# Altium PCB R100.230.030.001-00 ControlVR.PcbDoc (part 4 of 5) (continued)
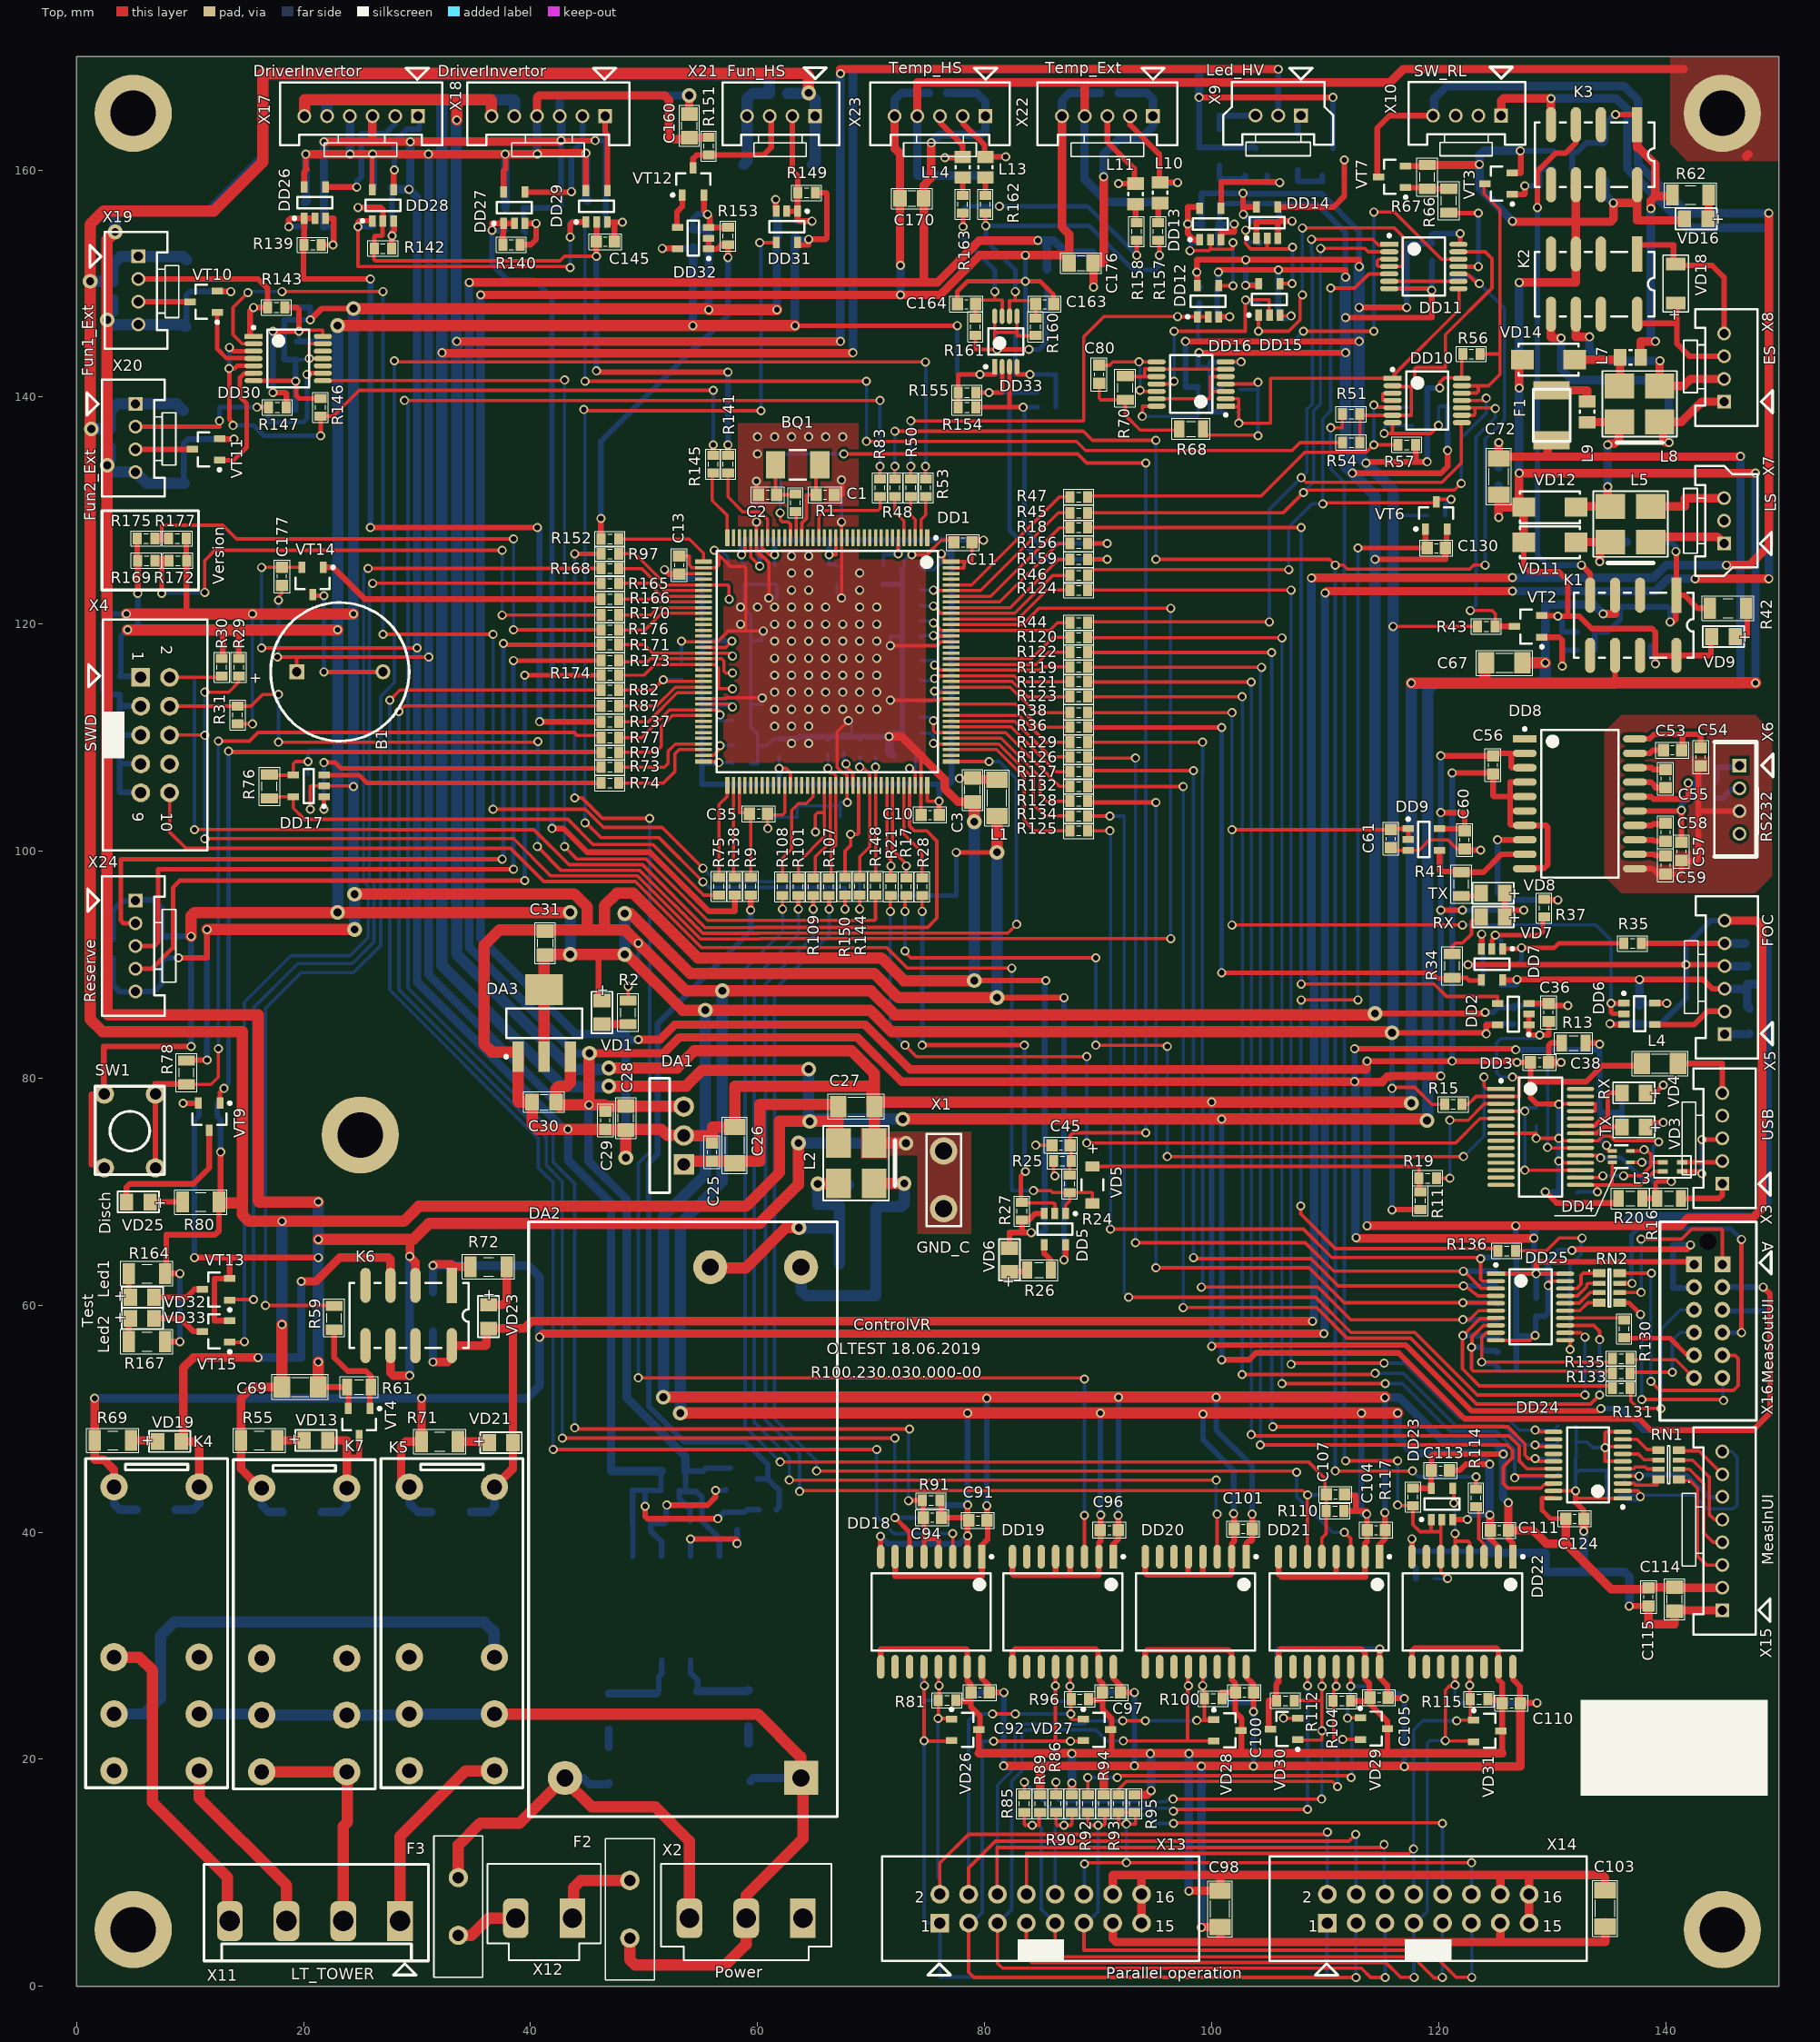
[diagram p0: Top view]
## Nets (pads, with @x,y where several pads share a name; then routed paths per layer and width w, separated by ;. In a path a pad name is that pad's centre, name@x,y a point inside that pad or via, vN(x,y) a via of type N, cw(c..) or ccw(c..) an arc to the next point about the centre after c; other vN are vias at no path point) (continued)
  Bottom w0.75: VD20.1@8.725,42 10.3,42 10.806,42.506 K4.8@10.806,44 ; v1(16,55.4) 19.8,55.4 v1(19.8,62.1)
NetK7_8: K7.8 VD13.2 VD15.1 VT4.3 | length 12.9
  Top w0.5: 23.814,46.7 23.914,46.6 24.9,46.6 VT4.3@24.9,48.5
  Top w0.75: VD13.2@22.141,48.1 23.814,48.1 23.814,46.7 K7.8@23.814,43.9
  Bottom w0.75: VD15.1@21.625,41.8 23.3,41.8 23.8,42.3 23.8,43.886 K7.8@23.814,43.9
NetL4_1: L4.1 X3.5 | length 6.7
  Top w0.5: L4.1@141,81.7 141.4,81.3 145,81.3 X3.5@145,78.8
NetL5_1: L5.1 L6.1 VD11.1 | length 8.9
  Top w0.75: VD11.1@132.1,127.2 132.1,127.225 L5.1@135.122,127.225 134.2,126.303 v1(134.2,125.5)
  Bottom w0.75: v1(134.2,125.5) 134.2,126.5 134.95,127.25 L6.1@136.59,127.25
NetL5_2: L5.2 X7.1 | length 7.2
  Top w0.75: L5.2@138.678,127.225 138.678,127.7 144.55,127.7 X7.1@145.15,127.1
NetL5_3: L5.3 X7.3 | length 7.2
  Top w0.75: L5.3@138.678,130.375 141.7,130.375 141.7,131.1 X7.3@145.15,131.1
NetL5_4: L5.4 L8.1 L9.1 VD12.1 | length 14.4
  Top w0.75: VD12.1@132.1,130.3 132.1,130.375 L5.4@134.9,130.375 ; L9.1@133.41,137.8 135.647,137.8 L8.1@135.9,137.547 ; v1(134.9,132.1) L5.4@134.9,130.375 ; v1(134.9,135.8) 135,135.9 135.5,135.9 135.9,136.3 L8.1@135.9,137.547 ; L5.4@135.122,130.375 L5.4@134.9,130.375 ; L8.1@135.922,137.825 135.672,137.825 135.9,137.598 L8.1@135.9,137.547 ; L8.1@136.022,137.425 L8.1@135.9,137.547
  Bottom w0.75: v1(134.9,132.1) v1(134.9,135.8)
NetL7_1: L7.1 L8.4 VD14.1 | length 6.6
  Top w0.75: VD14.1@132,143.3 135.79,143.3 L7.1@135.99,143.5 135.99,141.043 L8.4@135.922,140.975
NetL10_2: L10.2 R157.1 | length 1.8
  Top w0.5: R157.1@95.3,155.375 95.3,156.915 L10.2@95.475,157.09
NetL11_2: L11.2 R158.1 | length 1.7
  Top w0.5: L11.2@93.3,156.99 93.3,155.475 R158.1@93.4,155.375
NetL13_2: L13.2 R162.1 | length 1.6
  Top w0.5: R162.1@80.075,157.775 L13.2@80.075,159.34
NetL14_2: L14.2 R163.1 | length 1.6
  Top w0.5: R163.1@78.075,157.775 L14.2@78.075,159.34
NetR2_2: R2.2 VD1.2 | length 2.3
  Top w0.75: VD1.2@46.3,84.759 48.591,84.759 R2.2@48.6,84.75
NetR3_1: R3.1 R6.2 | length 1.5
  Bottom w0.75: R3.1@46.9,21.1 R6.2@46.9,22.6
NetR4_1: R4.1 R7.2 | length 1.5
  Bottom w0.75: R4.1@59.2,21.4 R7.2@59.2,22.9
NetR9_1: R9.1 R10.2 VT1.3 | length 66.7
  Top w0.5: v1(59.4,94.8) R9.1@59.4,96.125
  Bottom w0.5: v1(59.4,94.8) 59.4,93 51.2,84.8 51.2,73.3 50.425,72.525 50.425,51.075 53.5,48 58.9,48 60.9,46 60.9,44.7 ; VT1.3@60,44.7 60.9,44.7 ; R10.2@61.675,42 61.896,42.221 61.896,43.704 60.9,44.7
NetR22_2: R22.2 VD3.1 | length 3.6
  Top w0.4: VD3.1@138.2,75.8 138.3,75.7 138.7,76.1 v1(139.8,76.1)
  Bottom w0.4: R22.2@138.25,75.6 139.3,75.6 v1(139.8,76.1)
NetR23_2: R23.2 VD4.1 | length 3.7
  Top w0.4: VD4.1@138.241,78.7 139.1,78.7 v1(139.8,79.4)
  Bottom w0.4: R23.2@138.2,78.7 139.1,78.7 v1(139.8,79.4)
NetR26_2: R26.2 VD6.1 | length 1.6
  Top w0.5: VD6.1@82.2,62.959 83.609,62.959 R26.2@83.75,63.1
NetR33_1: R33.1 X5.1 | length 2.2
  Bottom w0.75: X5.1@145.2,83.875 147.325,83.875 R33.1@147.4,83.95
NetR34_2: R34.2 VD7.2 | length 4.8
  Top w0.3: R34.2@121.2,90.95 121.2,91.6 121.5,91.9 122.1,91.9 122.896,92.696 122.896,92.733 122.904,92.741 122.904,93.804 123,93.9 VD7.2@123.759,93.9
NetR41_1: R41.1 VD8.2 | length 1.9
  Top w0.4: R41.1@122,96.05 123.459,96.05 VD8.2@123.759,95.75
NetR42_2: R42.2 VD9.1 | length 3.5
  Top w0.5: VD9.1@146.141,118.9 147.1,118.9 147.2,119 147.2,121.3 R42.2@147.1,121.4
NetR53_1: R53.1 R59.1 | length 154
  Top w0.3: v1(16.65,59.975) 22.625,59.975 22.65,60 R59.1@22.7,59.95 ; v1(28,143.2) 28.104,143.096 45.459,143.096 45.467,143.104 46.133,143.104 46.141,143.096 55.559,143.096 55.567,143.104 56.533,143.104 56.541,143.096 v1(74.8,143.096) ; v1(74.8,133.9) 74.8,132.8 R53.1@74.825,132.775
  Bottom w0.3: v1(16.65,59.975) 16.65,86.15 19.8,89.3 24.4,89.3 26.796,91.696 26.796,113.633 28.01,114.847 28.01,143.19 v1(28,143.2) ; v1(74.8,143.096) 74.825,143.071 v1@74.825,133.8
NetR55_2: R55.2 VD13.1 | length 2.4
  Top w0.75: R55.2@17.7,48.1 VD13.1@20.059,48.1
NetR59_2: R59.2 R61.2 VT4.1 | length 9.3
  Top w0.5: R59.2@22.7,57.85 22.7,55.4 23.9,54.2 25.5,54.2 25.95,53.75 R61.2@25.95,52.8 ; R61.2@25.75,52.8 25.85,52.7 VT4.1@25.85,50.9
NetR62_2: R62.2 VD16.1 | length 2.1
  Top w0.75: VD16.1@143.7,155.7 143.8,155.8 R62.2@143.8,157.8
NetR63_1: R63.1 VT5.2 | length 3.8
  Bottom w0.5: R63.1@100.7,160.4 100.7,159.2 102.95,159.2 VT5.2@102.95,159.5
NetR63_2: R63.2 X9.3 | length 4.4
  Bottom w0.5: R63.2@100.7,163.6 100.7,164.8 X9.3@103.875,164.8
NetR64_1: R64.1 VT8.2 | length 3.7
  Bottom w0.5: R64.1@107.6,160 107.6,159 109.75,159 VT8.2@109.75,159.5
NetR64_2: R64.2 X9.1 | length 1.9
  Bottom w0.5: R64.2@107.6,163.2 107.6,164.8 X9.1@107.875,164.8
NetR66_2: R66.2 R67.2 VT7.1 | length 3.8
  Top w0.5: VT7.1@117.1,158.45 118.9,158.45 R67.2@119,158.35 R66.2@120.9,158.35
NetR69_2: R69.2 VD19.1 | length 2.4
  Top w0.75: R69.2@4.8,48.1 7.059,48.1 VD19.1@7.159,48
NetR71_2: R71.2 VD21.1 | length 2.8
  Top w0.75: R71.2@33.6,48 36.263,48 VD21.1@36.363,47.9
NetR72_2: R72.2 VD23.1 | length 4.7
  Top w0.75: VD23.1@36.3,60.041 37.541,60.041 37.9,60.4 R72.2@37.9,63.4
NetR77_1: R77.1 R78.2 SW1.3 SW1.4 | length 77.1
  Top w0.3: R78.2@9.7,79.45 11.85,79.45 12.5,80.1 v1(12.5,82.6) ; v1(12.5,109.7) 15.237,109.7 15.991,110.454 43.846,110.454 44.1,110.2 46.025,110.2 R77.1@46.225,110
  Top w0.5: SW1.3@6.95,72.1 SW1.4@6.95,78.6 6.95,79.45 6.9,79.5 R78.2@9.7,79.5
  Bottom w0.3: v1(12.5,82.6) v1(12.5,109.7)
NetR79_1: R79.1 VT9.1 | length 64.2
  Top w0.4: VT9.1@12.65,77.8 12.65,78.75 v1(13,79.1) ; v1(13.4,108.8) 13.454,108.746 18.154,108.746 18.162,108.754 46.171,108.754 R79.1@46.225,108.7
  Bottom w0.4: v1(13,79.1) 13.4,79.5 v1(13.4,108.8)
NetR80_1: R80.1 VD25.1 | length 2.9
  Top w0.5: VD25.1@6.491,69.1 R80.1@9.35,69.1
NetR151_2: R151.2 VT12.3 X21.3 | length 10.9
  Top w0.5: VT12.3@54.325,160.2 54.325,160.975 54.3,161 54.625,161.325 R151.2@55.7,161.325 60.525,161.325 61.2,162 61.2,164.625 X21.3@61.075,164.75
NetR164_1: R164.1 VD32.1 | length 2.2
  Top w0.5: R164.1@4.6,62.8 4.6,60.859 VD32.1@4.759,60.7
NetR165_2: R165.2 VT13.1 | length 92.9
  Top w0.3: VT13.1@13.5,60.45 13.55,60.4 13.65,60.5 v1(15.6,60.5) ; v1(26.1,123.6) R165.2@46.225,123.6
  Bottom w0.3: v1(15.6,60.5) 15.6,86.2 19.5,90.1 24.3,90.1 26.2,92 26.2,97.2 25.8,97.6 25.8,123.3 v1(26.1,123.6)
NetR166_2: R166.2 VT14.1 | length 25.6
  Top w0.5: VT14.1@21.75,125 22.6,125 25.4,122.2 R166.2@46.225,122.2
NetR167_1: R167.1 VD33.1 | length 2.1
  Top w0.5: R167.1@4.6,56.8 4.6,58.691 VD33.1@4.759,58.85
NetR168_2: R168.2 VT15.1 | length 97.8
  Top w0.3: VT15.1@13.5,56.75 v1@14.8,56.75 ; v1(25.7,124.9) R168.2@46.225,124.9
  Bottom w0.3: v1(14.8,56.8) 14.796,56.804 14.796,86.696 18.9,90.8 24.1,90.8 25.7,92.4 25.7,96.9 25.296,97.304 25.296,124.496 v1(25.7,124.9)
NetR169_1: R169.1 R170.2 R172.2 | length 51.7
  Top w0.3: v1(11.3,122.8) 11.3,125.6 12.2,126.5 v1(37.5,126.5) ; v1(37.5,120.8) R170.2@46.225,120.8
  Top w0.4: v1(7.5,122.7) 7.5,125.587 7.512,125.6
  Top w0.75: R169.1@6.925,125.6 7.512,125.6 R172.2@8.1,125.6
  Bottom w0.3: v1(37.5,120.8) v1(37.5,126.5)
  Bottom w0.4: v1(7.5,122.7) 7.6,122.8 v1(11.3,122.8)
NetR171_2: R171.2 X24.2 | length 68.1
  Top w0.4: X24.2@5.2,93.65 4.15,93.65 3.9,93.9 3.9,99.3 v1(37.5,99.3) ; v1(37.6,118.3) 37.7,118.2 R171.2@46.225,118.2
  Bottom w0.4: v1(37.5,99.3) 37.6,99.4 v1(37.6,118.3)
NetR173_2: R173.2 X24.3 | length 66
  Top w0.4: X24.3@5.2,91.65 6.85,91.65 7.2,92 7.2,98.4 v1(38.5,98.4) ; v1(38.5,116.8) R173.2@46.225,116.8
  Bottom w0.4: v1(38.5,98.4) v1(38.5,116.8)
NetR174_2: R174.2 X24.4 | length 65.4
  Top w0.4: X24.4@5.2,89.65 6.65,89.65 8.5,91.5 8.5,96.8 9.1,97.4 v1(39.5,97.4) ; v1(39.5,115.5) R174.2@46.225,115.5
  Bottom w0.4: v1(39.5,97.4) v1(39.5,115.5)
NetR175_1: R175.1 R176.2 R177.2 | length 49.6
  Top w0.3: 7.5,127.65 7.5,128.7 12.9,128.7 14.1,127.5 v1(38.5,127.5) ; v1(38.5,119.5) R176.2@46.225,119.5
  Top w0.4: 7.4,127.55 7.5,127.65
  Top w0.75: R175.1@6.9,127.55 7.4,127.55 8.05,127.55 R177.2@8.1,127.6
  Bottom w0.3: v1(38.5,119.5) v1(38.5,127.5)
NetVD25_2: VD25.2 VT9.3 | length 12.6
  Top w0.5: VD25.2@4.409,69.1 4.409,70.409 4.7,70.7 10.3,70.7 11.7,72.1 VT9.3@11.7,75.4
NetVD32_2: VD32.2 VT13.3 | length 4.5
  Top w0.5: VD32.2@6.841,60.7 9.7,60.7 10.4,61.4 VT13.3@11.1,61.4
NetVD33_2: VD33.2 VT15.3 | length 4.7
  Top w0.5: VD33.2@6.841,58.85 9.15,58.85 10.3,57.7 VT15.3@11.1,57.7
NetVT10_3: VT10.3 X19.3 | length 4.5
  Top w0.5: X19.3@5.45,148.4 VT10.3@9.9,148.4
NetVT11_3: VT11.3 X20.3 | length 5
  Top w0.5: X20.3@5.2,135.4 VT11.3@10.2,135.4
NRST: C45.2 DD1.25 R24.1 R25.1 | length 110
  Top w0.3: v1(62,129.8) 62,129.2 62.2,129 62.7,129 62.9,128.8 DD1.25@62.9,127.6 ; v1(67.6,135) 88.2,135 89,134.2 v1(94.2,134.2) ; R24.1@87.5,71.475 87.5,72.575 R25.1@87.625,72.7 87.625,74 C45.2@87.525,74.1 87.525,74.925 87.8,75.2 v1(94.2,75.2)
  Bottom w0.3: v1(62,129.8) 62,135 v1(67.6,135) ; v1(94.2,75.2) 94.2,134 94.3,134.1 v1(94.2,134.2)
PRT_ALARM: C64.2 DD1.135 R46.2 | length 14.9
  Top w0.28: v1(75.5,121.6) 76.15,120.95 82.65,120.95 86,124.3 R46.2@87.525,124.3
  Bottom w0.28: C64.2@74.35,121.7 74.45,121.6 v1(75.5,121.6)
PRT_ALARM_1: C130.2 R136.2 VT6.1 | length 90.3
  Top w0.3: v1(107.85,68.75) 107.85,68.05 110.904,64.996 125.029,64.996 R136.2@125.225,64.8 ; v1(107.9,86.9) v1(112.9,86.9)
  Top w0.4: v1(112.9,126.7) C130.2@119,126.7
  Top w0.5: VT6.1@118.85,128.375 118.85,126.95 C130.2@119.1,126.7
  Bottom w0.3: v1(107.85,68.75) 107.85,86.85 v1(107.9,86.9) ; v1(112.9,86.9) v1(112.9,126.7)
  Bottom w0.4: v1@112.854,126.654 v1(112.9,126.7)
PRT_ALARM_2: R135.1 X16.6B | length 6.3
  Top w0.28: R135.1@136.875,55.3 136.975,55.2 140.9,55.2 X16.6B@142.5,53.6
PRT_RST: DD1.117 R129.1 | length 11.4
  Top w0.28: DD1.117@77.05,111.95 83.05,111.95 85.4,109.6 R129.1@87.525,109.6
PRT_RST_1: R130.2 X16.5B | length 6.4
  Top w0.4: R130.2@136.675,57.1 140.4,57.1 141.9,55.6 X16.5B@142.5,55.6
PWM1: DD1.60 R137.1 | length 8.5
  Top w0.28: R137.1@47.775,111.4 50.379,111.4 52.929,113.95 DD1.60@55.25,113.95
PWM1_S: DD26.4 X17.2 | length 11.6
  Top w0.5: DD26.4@21.95,158.5 v1(24.7,158.5)
  Bottom w0.5: v1(24.7,158.5) 24.7,159 25.1,159.4 25.1,163.2 27.2,163.2 28.1,164.1 28.1,164.725 X17.2@28.075,164.75
PWM2: DD1.74 R138.1 | length 8.2
  Top w0.28: DD1.74@57.9,105.8 57.9,97.775 R138.1@58,97.675
PWM2_S: DD27.4 X18.2 | length 11.4
  Top w0.5: DD27.4@39.525,158.05 43.65,158.05 43.7,158.1 v1(43.6,158.1)
  Bottom w0.5: v1(43.6,158.1) 43.6,161.5 44.6,162.5 44.6,164.725 X18.2@44.575,164.75
RED: K5.5 X11.1 | length 18.2
  Top w1: X11.1@28.5,5.75 28.5,13.2 34.294,18.994 K5.5@36.823,18.994
RESERV1: C178.2 DD1.53 R171.1 | length 10.4
  Top w0.28: R171.1@47.775,118.2 50,118.2 50.75,117.45 57.55,117.45 v1(57.8,117.2)
RESERV2: C179.2 DD1.54 R173.1 | length 11.2
  Top w0.28: R173.1@47.775,116.8 47.875,116.7 50.3,116.7 50.55,116.95 56.85,116.95 57.05,116.75 57.05,115.85 57.2,115.7 v1(57.8,115.7)
RESERV3: C180.2 DD1.55 R174.1 | length 12.4
  Top w0.28: R174.1@47.775,115.5 50,115.5 50.95,116.45 56.25,116.45 56.57,116.13 56.57,114.3 v3(57.8,114.3)
RS485+: DD18.12 R84.1 R88.2 VD26.2 X13.1 X14.1 | length 74.3
  Top w0.3: DD18.12@74.665,28.15 74.7,28.115 v1(74.7,26.5) 74.665,26.465 v1(74.665,21.635) 74.7,21.6 77.05,21.6 VD26.2@77.1,21.65 ; X13.1@76.06,5.575 X13.1@76.075,5.56
  Bottom w0.3: R84.1@74.425,28.3 74.425,26.775 v1(74.7,26.5) 74.7,25.2 R88.2@75.925,25.2 ; v1(74.665,21.635) 74.665,5.935 75.025,5.575 X13.1@76.06,5.575 ; X13.1@76.075,5.56 76.075,0.825 110.175,0.825 110.175,5.55 X14.1@110.2,5.575
RS485-: DD18.13 R81.2 R84.2 VD26.1 X13.2 X14.2 | length 67
  Top w0.3: R81.2@75.9,25.2 76,25.3 v1(76,26.5) 75.935,26.565 DD18.13@75.935,28.15 ; R81.2@75.935,25.21 R81.2@75.925,25.2 75.925,23.625 v1(75.9,23.6) 77.05,23.6 VD26.1@77.1,23.55 ; X13.2@76.06,8.115 76.06,10.871 78.585,13.396 109.996,13.396 v1(110.2,13.6)
  Bottom w0.3: v1(75.9,23.6) 75.9,9.6 76.1,9.4 76.1,8.155 X13.2@76.06,8.115 ; R84.2@75.975,28.3 75.975,26.425 76,26.4 v1(76,26.5) ; X14.2@110.2,8.115 v1(110.2,13.6)
RST_ALARM: DD1.140 R47.2 | length 14.1
  Top w0.28: DD1.140@76.65,123.45 78.85,123.45 86.6,131.2 R47.2@87.525,131.2
RTS: DD3.3 R19.1 | length 11.4
  Top w0.3: R19.1@119.825,71.2 v1(121,71.2) ; v1(121,76.3) 122.6,76.3 124.05,77.75 DD3.3@125.5,77.75
  Bottom w0.3: v1(121,71.2) v1(121,76.3)
RX_DEB: DD1.102 R12.1 R17.2 | length 9.7
  Top w0.3: DD1.102@71.9,105.8 71.9,100.1 73.1,98.9 v1(73.1,98.7) R17.2@73.1,97.65
  Bottom w0.3: R12.1@73.1,97.65 v1(73.1,98.7)
RX_FO: R32.1 R35.1 X5.5 | length 9.3
  Top w0.5: R35.1@137.8,91.8 R35.1@137.875,91.875 X5.5@145.2,91.875
  Bottom w0.75: X5.5@145.2,91.875 147,91.875 R32.1@147.025,91.9
RX_INT: DD1.119 R36.2 | length 11.3
  Top w0.28: DD1.119@77.05,112.95 82.75,112.95 84.8,110.9 87.5,110.9 R36.2@87.525,110.925
RX_RS: DD8.8 R37.1 | length 14.2
  Top w0.5: v1(125.2,101) DD8.8@127.596,101 DD8.8@127.95,101 ; R37.1@129.3,95.775 129.375,95.7 v1(130.5,95.7)
  Bottom w0.5: v1(125.2,101) 125.2,96.3 125.796,95.704 127.874,95.704 127.878,95.7 v1(130.5,95.7)
RX_RS232: R40.1 X6.2 | length 2.4
  Bottom w0.5: R40.1@144.375,104.7 145.1,104.7 145.9,105.5 X6.2@146.4,105.5
RX_RS485: C93.2 DD1.58 R82.1 | length 9.7
  Top w0.28: R82.1@47.775,114.2 50.8,114.2 v1(51.7,115.1) 51.7,115 51.65,114.95 DD1.58@55.25,114.95
  Bottom w0.28: v1(51.7,115.1) C93.2@53.3,115.1
SCL_EEPROM: DD1.69 R73.2 | length 9
  Top w0.28: R73.2@47.775,107.4 51.8,107.4 52.1,107.7 52.1,108.8 52.75,109.45 DD1.69@55.25,109.45
SD1_BRIDGE_S: DD28.4 X17.1 | length 8.7
  Top w0.5: DD28.4@27.95,158.275 27.95,159.85 28.1,160 v1(28,160)
  Bottom w0.5: v1(28,160) 28,162.486 29.114,163.6 30.2,163.6 30.2,164.3 29.75,164.75 X17.1@30.075,164.75
SD2_BRIDGE: DD29.4 X18.1 | length 6.7
  Top w0.5: X18.1@46.575,164.75 46.575,163.325 46.775,163.125 DD29.4@46.775,158.175
SD_BRIDGE: DD1.29 R141.1 | length 8.1
  Top w0.28: R141.1@57.4,133.325 57.4,131.2 58.7,129.9 60.2,129.9 60.9,129.2 DD1.29@60.9,127.6
SD_DRV: C141.1 C142.1 DD28.1 DD29.1 R54.2 | length 120.3
  Top w0.3: v1(24.8,155) 24.8,151.5 34.9,151.5 ; 34.709,151.5 43.4,151.5 v1(43.5,151.4) ; v1(44.8,141.4) 44.804,141.404 57.059,141.404 57.067,141.396 58.796,141.396 58.8,141.4 v1(69.6,141.4) ; v1(69.6,136.1) 88.1,136.1 88.9,135.3 107.1,135.3 107.8,136 R54.2@111.525,136
  Top w0.5: v1(24.8,155) 24.8,155.4 24.925,155.525 DD28.1@26.05,155.525 ; v1(43.5,154.1) 43.5,155.2 43.725,155.425 DD29.1@44.875,155.425
  Bottom w0.3: v1(43.5,151.4) v1(43.5,154.1) ; v1(44.8,141.4) 44.8,155.2 C142.1@45,155.4 ; v1(69.6,136.1) v1(69.6,141.4)
  Bottom w0.5: v1(24.8,155) 26.05,155 C141.1@26.2,155.15 ; v1(43.5,154.1) 43.5,155.3 43.6,155.4 C142.1@45,155.4
SDA_EEPROM: DD1.70 R74.2 | length 9.6
  Top w0.28: R74.2@47.775,106 51.7,106 52.7,107 52.7,108.55 53.1,108.95 DD1.70@55.25,108.95
SOFT_RES: DD1.104 R28.2 | length 8.8
  Top w0.28: DD1.104@72.9,105.8 72.9,101.5 74.5,99.9 R28.2@74.5,97.65
SW_REL_12V: K3.4 K4.1 K5.1 K6.1 R69.1 R71.1 R72.1 VD20.2 VD22.2 VD24.2 X10.1 | length 332.8
  Top w0.75: v1(1.6,51.8) R69.1@1.6,48.1 1.6,46.4 2.4,46.4 3.306,45.494 K4.1@3.306,44 ; K5.1@29.323,43.994 28.6,44.716 28.6,47.6 29,48 R71.1@30.4,48 ; v1(30.4,51.8) R71.1@30.4,48 ; R71.1@30.408,47.992 R71.1@30.4,48 ; v1(31.4,63.5) 31.5,63.6 33.062,63.6 33.062,63.5 ; K6.1@33,61.7 K6.1@33.062,61.762 ; K6.1@33.062,61.75 K6.1@33.062,61.762 ; R72.1@34.7,63.4 33.162,63.4 33.062,63.5 ; v1(40.8,57.2) 41.1,57.5 v1(109.9,57.5) ; v1(110,122.75) 110.15,122.9 v1(126.5,122.9) ; X10.1@125.515,164.797 125.515,166.1 125.715,166.3 v1(129.9,166.3) K3.4@129.9,164 ; v1(142.6,124) v1(149.1,124) ; K6.1@33.062,61.762 33.062,63.5
  Bottom w0.75: v1(1.6,51.8) v1(30.4,51.8) 39.7,51.8 40.8,52.9 v1(40.8,57.2) 40.8,62.5 39.8,63.5 v1(31.4,63.5) VD24.2@31.4,61.15 ; K4.1@3.306,44 3.306,42.494 3.8,42 VD20.2@5.275,42 ; K5.1@29.323,43.994 29.323,42.577 30.1,41.8 VD22.2@31.275,41.8 ; v1(109.9,57.5) 109.979,57.579 109.979,122.729 v1(110,122.75) ; v1(126.5,122.9) 139.1,122.9 140.2,124 v1(142.6,124) ; v1(129.9,166.3) 135.655,166.3 136.629,165.326 136.629,160.126 141.855,154.9 149.1,154.9 ; v1(149.1,124) 149.1,154.9
SW_REL_COM: K5.8 K6.8 VD21.2 VD22.1 VD23.2 VD24.1 VT7.3 X10.4 | length 287.3
  Top w0.5: VT7.3@114.7,159.4 114.6,159.5 114.6,163.7 115.697,164.797 X10.4@119.515,164.797 ; X10.4@119.572,164.797 X10.4@119.572,164.8
  Top w0.75: v1(31.4,55) 32.7,55 33.062,55.362 K6.8@33.062,56.45 36.05,56.45 36.1,56.5 36.1,57.759 VD23.2@36.3,57.959 38.2,57.959 ; K5.8@36.823,43.994 38.446,45.617 VD21.2@38.446,47.9 38.446,57.713 38.2,57.959 ; v1(108.8,124.071) 108.829,124.1 v1(126.5,124.1) ; v1(108.9,58.6) 40.1,58.6 39.459,57.959 38.2,57.959 ; X10.4@119.572,164.797 X10.4@119.6,164.825 ; v1(145.375,125.2) 147.4,125.2 149.1,126.9 v1(149.1,156.2)
  Bottom w0.75: v1(31.4,55) VD24.1@31.4,57.7 ; VD22.1@34.725,41.8 36.4,41.8 36.823,42.223 K5.8@36.823,43.994 ; v1@108.8,123.942 108.8,88.955 109.029,88.726 109.029,58.729 v1(108.9,58.6) ; X10.4@119.515,164.797 119.6,164.882 119.6,166.274 120.726,167.4 136.344,167.4 137.579,166.165 137.579,160.521 141.9,156.2 v1(149.1,156.2) ; v1(126.5,124.1) 138.956,124.1 140.056,125.2 v1(145.375,125.2)
SW_REL_ONOFF: DD1.3 R50.2 | length 3.8
  Top w0.28: R50.2@73.525,131.225 73.5,131.2 73.5,129.6 73.9,129.2 DD1.3@73.9,127.6
SWD_RST: DD5.1 R24.2 VD5.1 X4.10 | length 112.3
  Top w0.3: X4.10@8.2,105.15 8.2,101.7 9.654,100.246 38.254,100.246 41.18,97.32 49.238,97.32 55.048,91.51 71.39,91.51 73.2,89.7 v1(82.4,89.7) ; v1(84.3,70.1) 85.8,70.1 85.975,69.925 R24.2@87.5,69.925 ; DD5.1@87.15,68.075 87.15,68.85 87.5,69.2 R24.2@87.5,69.925 ; VD5.1@89.5,68.965 89.5,69.885 89.46,69.925 R24.2@87.5,69.925
  Bottom w0.3: v1(82.4,89.7) 82.4,70.1 v1(84.3,70.1)
SWDCLK: DD1.109 R31.2 X4.4 | length 111.3
  Top w0.3: X4.4@8.2,112.77 14.195,112.77 R31.2@14.2,112.775 15.375,112.775 16.4,113.8 v1(17.8,113.8) ; v1(17.8,109.6) 40.6,109.6 v1(40.65,109.65) ; v1(40.6,100.4) 42.7,98.3 49.644,98.3 55.173,92.771 60.014,92.771 60.027,92.784 82.059,92.784 v1(82.825,93.55) ; DD1.109@77.05,107.89 77.06,107.9 v1(80.4,107.9)
  Bottom w0.3: v1(17.8,109.6) v1(17.8,113.8) ; v1(40.6,100.4) 40.65,100.45 v1(40.65,109.65) ; v1(80.4,107.9) 81.3,107.9 82.8,106.4 82.8,93.575 v1(82.825,93.55)
SWDIO: DD1.105 R30.1 X4.2 | length 102.9
  Top w0.3: X4.2@8.2,115.31 12.685,115.31 R30.1@12.8,115.425 ; v3(10.4,101.9) 10.404,101.904 26.759,101.904 26.767,101.896 40.297,101.896 43.393,98.8 49.851,98.8 55.38,93.271 59.807,93.271 59.82,93.284 74.984,93.284 75.8,94.1 75.8,100.9 74.9,101.8 73.8,101.8 73.4,102.2 DD1.105@73.4,105.8
  Bottom w0.3: X4.2@8.2,115.31 8.21,115.3 10.3,115.3 10.4,115.2 v3(10.4,101.9)
SWO: DD1.133 R29.1 X4.6 | length 157.7
  Top w0.28: X4.6@8.2,110.23 11.27,110.23 v1(11.3,110.2) ; v1(11.3,101.1) 38.5,101.1 41.79,97.81 49.441,97.81 54.97,92.281 60.217,92.281 60.23,92.294 96.394,92.294 v1(96.4,92.3) ; v1(11.3,114) 13.4,114 14.3,114.9 R29.1@14.3,115.425 ; DD1.133@77.05,119.95 83.35,119.95 84.8,121.4 v1(96.4,121.4)
  Bottom w0.28: v1(11.3,101.1) v1(11.3,110.2) v1(11.3,114) ; v1(96.4,92.3) v1(96.4,121.4)
SYN_50HZ: C35.2 DD1.75 R9.2 | length 9
  Top w0.28: DD1.75@58.4,105.8 58.4,103.4 59.2,103.4 C35.2@59.3,103.3 59.4,103.2 R9.2@59.4,97.675
SYNC_PWM: C99.2 DD1.41 R97.1 | length 13.4
  Top w0.28: R97.1@47.775,126.2 49.2,126.2 51.95,123.45 57.35,123.45 57.5,123.3 v1(57.5,122.2)
  Bottom w0.28: C99.2@57.4,123.5 57.5,123.4 v1(57.5,122.2)
SYNC_PWM+: DD19.12 R98.1 R99.2 VD27.2 X13.3 X14.3 | length 80.6
  Top w0.3: X13.3@78.6,5.575 78.6,1.25 79.075,0.775 v1(112.725,0.775) ; v1(80.8,21.6) v1(87.575,21.6) VD27.2@88.8,21.6 ; 86.25,21.6 v1(86.25,26.475) 86.25,28.085 86.225,28.11 DD19.12@86.265,28.15
  Bottom w0.3: X13.3@78.6,5.575 78.875,5.575 79.8,6.5 79.8,21.6 v1(80.8,21.6) ; R98.1@86.125,28.3 86.225,28.2 86.225,26.575 86.3,26.5 v1@86.25,26.45 ; v1(86.25,26.475) v1@86.25,26.45 ; R99.2@87.725,25.3 87.525,25.1 86.25,25.1 v1@86.25,26.45 ; v1(112.725,0.775) 112.725,5.56 X14.3@112.74,5.575
SYNC_PWM-: DD19.13 R96.1 R98.2 VD27.1 X13.4 X14.4 | length 75.5
  Top w0.3: X13.4@78.6,8 78.6,10.432 80.964,12.796 112.096,12.796 v1(112.7,13.4) ; v1(80.7,24) v1(82.7,24) ; DD19.13@87.535,28.15 87.535,25.59 87.625,25.5 87.6,25.475 v1(87.6,24) 87.6,23.6 87.7,23.5 VD27.1@88.55,23.5 ; VD27.1@88.7,23.55 88.65,23.5 VD27.1@88.55,23.5 ; VD27.1@88.7,23.65 VD27.1@88.55,23.5
  Bottom w0.3: X13.4@78.6,8.115 78.6,23.4 79.2,24 v1(80.7,24) ; v1(82.7,24) v1(87.6,24) ; v1(87.525,26.45) 87.525,28.15 R98.2@87.675,28.3 ; v1(112.7,13.4) 112.74,13.36 X14.4@112.74,8.115
SYNC_STEP: C102.2 DD1.90 R101.1 | length 12.9
  Top w0.28: R101.1@63.575,97.65 R101.1@63.6,97.675 ; R101.1@63.8,97.675 63.6,97.875 63.6,99 65.9,101.3 65.9,103.4 ; v1(65.1,101.7) 65.1,103.2 65.3,103.4 65.9,103.4 ; DD1.90@65.9,105.8 65.9,103.4
  Bottom w0.28: v1(65.1,101.7) C102.2@65.1,103
SYNC_STEP+: DD20.12 R102.1 R103.2 VD28.2 X13.5 X14.5 | length 89.6
  Top w0.3: X13.5@81.14,5.575 81.14,2.035 81.575,1.6 113.2,1.6 114.025,0.775 v1(115.3,0.775) ; DD20.12@97.965,28.15 97.896,28.081 97.896,21.625 ; VD28.2@100.15,21.55 VD28.2@100.125,21.575 ; VD28.2@100.2,21.6 100.175,21.575 VD28.2@100.125,21.575 ; v1(92.225,21.625) 97.896,21.625 ; v1(92.225,21.625) 92.175,21.625 92.225,21.575 v1(92.225,21.625) ; 97.896,21.625 100.075,21.625 VD28.2@100.125,21.575
  Bottom w0.3: X13.5@81.14,5.575 81.175,5.575 82.4,6.8 82.4,18.1 83.3,19 83.3,22.3 83.6,22.6 89.8,22.6 90.775,21.625 v1(92.225,21.625) ; R102.1@97.925,28.2 97.925,26.475 v1@97.95,26.45 ; v1(97.95,26.475) v1@97.95,26.45 ; R103.2@99.4,25.025 99.375,25.05 97.95,25.05 v1@97.95,26.45 ; X14.5@115.28,5.575 115.4,5.455 115.3,5.355 v1(115.3,0.775)
SYNC_STEP-: DD20.13 R100.1 R102.2 VD28.1 X13.6 X14.6 | length 83.5
  Top w0.3: X13.6@81.1,8.115 81.1,12.225 115.2,12.225 v1(115.2,12.5) ; v1(92.175,23.4) v1(94.175,23.4) ; v1(98.7,23.425) 100.125,23.425 VD28.1@100.2,23.5 99.375,23.5 R100.1@99.375,25.35 99.375,26.05 99.225,26.2 v1(99.225,26.5) 99.25,26.5 99.235,26.515 DD20.13@99.235,28.15
  Bottom w0.3: X13.6@81.14,8.115 81.14,17.74 82.7,19.3 82.7,22.7 83.1,23.1 88.8,23.1 89.075,23.375 v1@92.2,23.375 ; v1(92.175,23.4) v1@92.2,23.375 ; v1@92.275,23.375 v1@92.2,23.375 ; v1(94.175,23.4) 98.7,23.4 v1(98.7,23.425) ; v1(99.225,26.5) 99.225,26.95 99.5,27.225 99.5,28.175 R102.2@99.475,28.2 ; v1(115.2,12.5) 115.2,8.195 X14.6@115.28,8.115
TEMP_SCLK: DD1.136 R159.2 | length 12.2
  Top w0.28: DD1.136@77.05,121.45 82.25,121.45 86.5,125.7 R159.2@87.525,125.7
TEMP_SDA: DD1.137 R156.2 | length 12.6
  Top w0.28: DD1.137@77.05,121.95 81.35,121.95 86.5,127.1 R156.2@87.525,127.1
TEST_LED1: DD1.43 R165.1 | length 8
  Top w0.28: R165.1@47.775,123.6 50.442,123.6 51.592,122.45 DD1.43@55.25,122.45
TEST_LED2: DD1.42 R168.1 | length 8.3
  Top w0.28: R168.1@47.775,124.9 49.821,124.9 51.771,122.95 DD1.42@55.25,122.95
TX_DEB: DD1.101 R14.1 R21.2 | length 9.3
  Top w0.28: DD1.101@71.4,105.8 71.4,99.6 71.75,99.25 v1(71.75,98.7) R21.2@71.75,97.65
  Bottom w0.28: R14.1@71.75,97.65 v1(71.75,98.7)
TX_FO: DD6.4 X5.2 | length 6.6
  Top w0.5: DD6.4@139.075,84.725 142.525,84.725 143.7,85.9 X5.2@145.2,85.9
TX_INT: DD1.122 R38.2 | length 11.4
  Top w0.28: DD1.122@77.05,114.45 82.25,114.45 83.27,113.43 83.285,113.43 84.515,112.2 87.5,112.2 R38.2@87.525,112.225
TX_RS: DD8.9 DD9.4 R41.2 | length 10.4
  Top w0.5: DD9.4@120.075,100.075 120.075,98.325 120.2,98.2 121.95,98.2 R41.2@122,98.15 123.95,98.15 125.53,99.73 DD8.9@127.596,99.73 DD8.9@127.95,99.73
TX_RS232: R39.1 X6.1 | length 3.3
  Bottom w0.5: R39.1@144.4,106.1 144.5,106.2 144.5,107.4 146.275,107.4 X6.1@146.4,107.525
TX_RS485: DD1.59 R87.1 | length 8.2
  Top w0.28: R87.1@47.775,112.8 51.1,112.8 52.75,114.45 DD1.59@55.25,114.45
USB_RST: R11.1 R19.2 VD5.2 | length 31.1
  Top w0.3: VD5.2@89.5,72.235 118.275,72.235 R19.2@118.275,71.2
  Top w0.5: R19.2@118.275,71.2 118.3,71.175 118.3,70.075 R11.1@118.4,69.975
VDD: C3.2 C4.1 C5.1 C6.1 C7.1 C8.1 C9.1 C10.1 C11.1 C12.1 C13.1 C15.1 C16.1 C17.1 C18.1 C19.1 C20.1 DD1.6 DD1.17 DD1.30 DD1.32 DD1.33 DD1.39 DD1.52 DD1.62 DD1.72 DD1.84 DD1.95 DD1.108 DD1.121 DD1.131 DD1.143 DD1.144 L1.2 | length 172.6
  Top w0.28: C13.1@53.15,124.45 DD1.39@55.25,124.45 ; v1(67.8,107.7) v1@67.8,107.477 ; v1@67.8,107.477 67.8,107.45 68.38,106.87 68.38,105.82 DD1.95@68.4,105.8 68.4,106.877 v1@67.8,107.477
  Top w0.3: C13.1@53.1,124.4 C13.1@53.15,124.45 ; DD1.72@55.25,107.89 56.51,107.89 v1(56.6,107.8) ; DD1.62@55.25,112.95 57.75,112.95 57.8,112.9 v1(57.8,112.712) ; DD1.52@55.25,117.95 57.2,117.95 v1(57.75,118.5) ; v1(58.6,126.1) 58.7,126.1 58.9,126.3 58.9,126.7 DD1.33@58.9,127.6 ; DD1.32@59.4,127.6 59.4,125.9 v1(60.2,125.1) ; DD1.30@60.4,127.6 60.4,126.715 60.711,126.404 60.74,126.404 61.044,126.1 v1(61.5,126.1) ; v1(61.9,107.3) 62.502,107.3 62.9,106.902 DD1.84@62.9,105.8 ; v1@66.5,126.1 66.4,126.2 v1(66.3,126.1) 66.9,126.1 DD1.17@66.9,127.6 ; v1(72.4,126.2) 72.3,126.2 72.4,126.3 DD1.6@72.4,127.6 ; DD1.108@74.96,105.8 74.96,104.44 75,104.4 v1(76,104.4) ; v1(75.5,119) 75.7,119 75.65,118.95 DD1.131@77.05,118.95 ; v1(75.6,114.1) 75.6,114 75.65,113.95 DD1.121@77.05,113.95 ; v1(76.2,126.2) 76.2,126.399 76.4,126.2 76.4,125.51 78.19,125.51 ; DD1.143@77.05,124.95 78.15,124.95 78.2,125 78.19,125.01 78.19,125.51 ; 78.2,125.5 78.19,125.51 ; C11.1@78.9,127.2 78.9,125.5 78.89,125.51 78.19,125.51 ; C3.2@78.95,106.45 C3.2@79.1,106.3
  Top w0.5: v1(51.8,124.8) 52.2,124.4 C13.1@53.1,124.4 ; C10.1@76,103.2 v1(76,104.4) ; v1(77.8,106.4) C3.2@78.9,106.4 ; C3.2@78.6,106.1 C3.2@78.9,106.4 ; C11.1@78.9,127.2 79.1,127.4 v1(79.9,127.4) ; C3.2@78.95,106.45 C3.2@78.9,106.4
  Top w0.75: C3.2@79.1,106.3 L1.2@81.1,106.3
  Bottom w0.28: C7.1@67.6,108.7 67.6,107.9 v1(67.8,107.7) 67.8,105.9
  Bottom w0.3: v1(56.6,107.8) 57.7,107.8 C15.1@57.8,107.7 ; C19.1@57.65,118.7 C19.1@57.8,118.55 ; C6.1@57.796,112.904 C6.1@57.8,112.9 v1(57.8,112.712) ; v1(58.6,126.1) 58.6,125.5 58.9,125.2 C17.1@58.8,125.1 ; v1(60.2,125.1) 60.2,125.7 ; v1(61.5,126.1) 61.5,125.2 C20.1@61.6,125.1 ; v1(61.9,107.3) C4.1@61.9,108.3 ; v1(66.3,126.1) 66.3,125.275 66.825,125.275 C12.1@67,125.1 ; C9.1@71.1,125.2 71.1,126.1 72.3,126.1 v1(72.4,126.2) ; C8.1@74.3,125.1 74.6,124.8 75.562,124.8 76.2,125.438 v1(76.2,126.2) ; C18.1@74.35,113.2 75.3,113.2 75.6,113.5 v1(75.6,114.1) ; C5.1@74.35,118.9 74.45,118.8 74.65,119 v1(75.5,119)
  Bottom w0.5: v1(51.8,124.8) 52.6,124 55.1,124 55.1,118.5 ; v1(56.6,107.8) 55.2,107.8 55.1,107.9 ; C6.1@57.796,112.904 55.196,112.904 55.1,113 ; C19.1@57.8,118.55 v1(57.75,118.5) 55.1,118.5 ; v1(58.6,126.1) 58.6,127.2 58.8,127.4 59.9,127.4 60.2,127.4 ; 60.2,125.7 60.2,127.4 ; v1(61.5,126.1) 61.5,127.4 ; v1(61.9,107.3) 61.9,105.9 ; v1(66.3,126.1) 66.3,127.4 ; v1(72.4,126.2) 72.4,127.4 ; v1(75.5,119) 77.1,119 ; v1(75.6,114.1) 77,114.1 77.1,114 ; v1(76,104.4) 76,105.8 75.9,105.9 ; v1(76.2,126.2) 77.1,126.2 ; v1(77.8,106.4) 77.1,106.4 ; v1(79.9,127.4) 77.1,127.4 ; 55.1,107.9 55.1,113 ; 55.1,107.9 55.1,105.9 61.9,105.9 ; 55.1,113 55.1,118.5 ; 60.2,127.4 61.5,127.4 ; 61.5,127.4 66.3,127.4 ; 61.9,105.9 67.8,105.9 75.9,105.9 ; 66.3,127.4 72.4,127.4 ; 72.4,127.4 77.1,127.4 ; 75.9,105.9 76.9,105.9 77.1,106.1 77.1,106.4 ; 77.1,106.4 77.1,114 ; 77.1,114 77.1,119 ; 77.1,119 77.1,126.2 ; 77.1,126.2 77.1,127.4
VER1: DD1.45 R170.1 | length 7.7
  Top w0.28: R170.1@47.775,120.8 50.6,120.8 51.25,121.45 DD1.45@55.25,121.45
VER2: DD1.46 R176.1 | length 8.1
  Top w0.28: R176.1@47.775,119.5 50.1,119.5 51.55,120.95 DD1.46@55.25,120.95
VISO: C53.2 C54.2 DD8.20 | length 8.6
  Top w0.5: DD8.20@137.296,109.89 138.59,109.89 139,110.3 141.4,110.3 ; C53.2@141.4,108.9 141.5,109 141.5,110.2 141.4,110.3 ; C54.2@143.104,109.1 143.104,110.196 143,110.3 141.4,110.3
WP_EEPROM: DD1.73 R75.2 | length 8.4
  Top w0.28: R75.2@56.6,97.675 56.6,104.1 57.34,104.84 DD1.73@57.34,105.8
YELLOW: K4.5 X11.3 | length 16.4
  Top w1: K4.5@10.806,19 10.806,16.594 18.5,8.9 X11.3@18.5,5.75
~220V_L: DA2.1 F2.1 K4.6 K5.3 K5.6 K7.3 K7.6 R4.2 X2.2 | length 91
  Top w1: K5.6@36.823,23.994 58.9,23.994 60.006,23.994 63.8,20.2 DA2.1@63.8,18.358 ; F2.1@48.75,4.25 48.75,2.35 49.2,1.9 57.2,1.9 59,3.7 X2.2@59,6 59,8 64,13 64,18.358 DA2.1@63.831,18.358
  Bottom w0.75: R4.2@59.4,18.1 59.658,18.358 DA2.1@63.831,18.358
  Bottom w1: K4.6@10.806,24 16.214,24 K7.3@16.314,23.9 K7.6@23.814,23.9 29.229,23.9 K5.3@29.323,23.994 K5.6@36.823,23.994